# KiCad board Marble.kicad_pcb (continued)
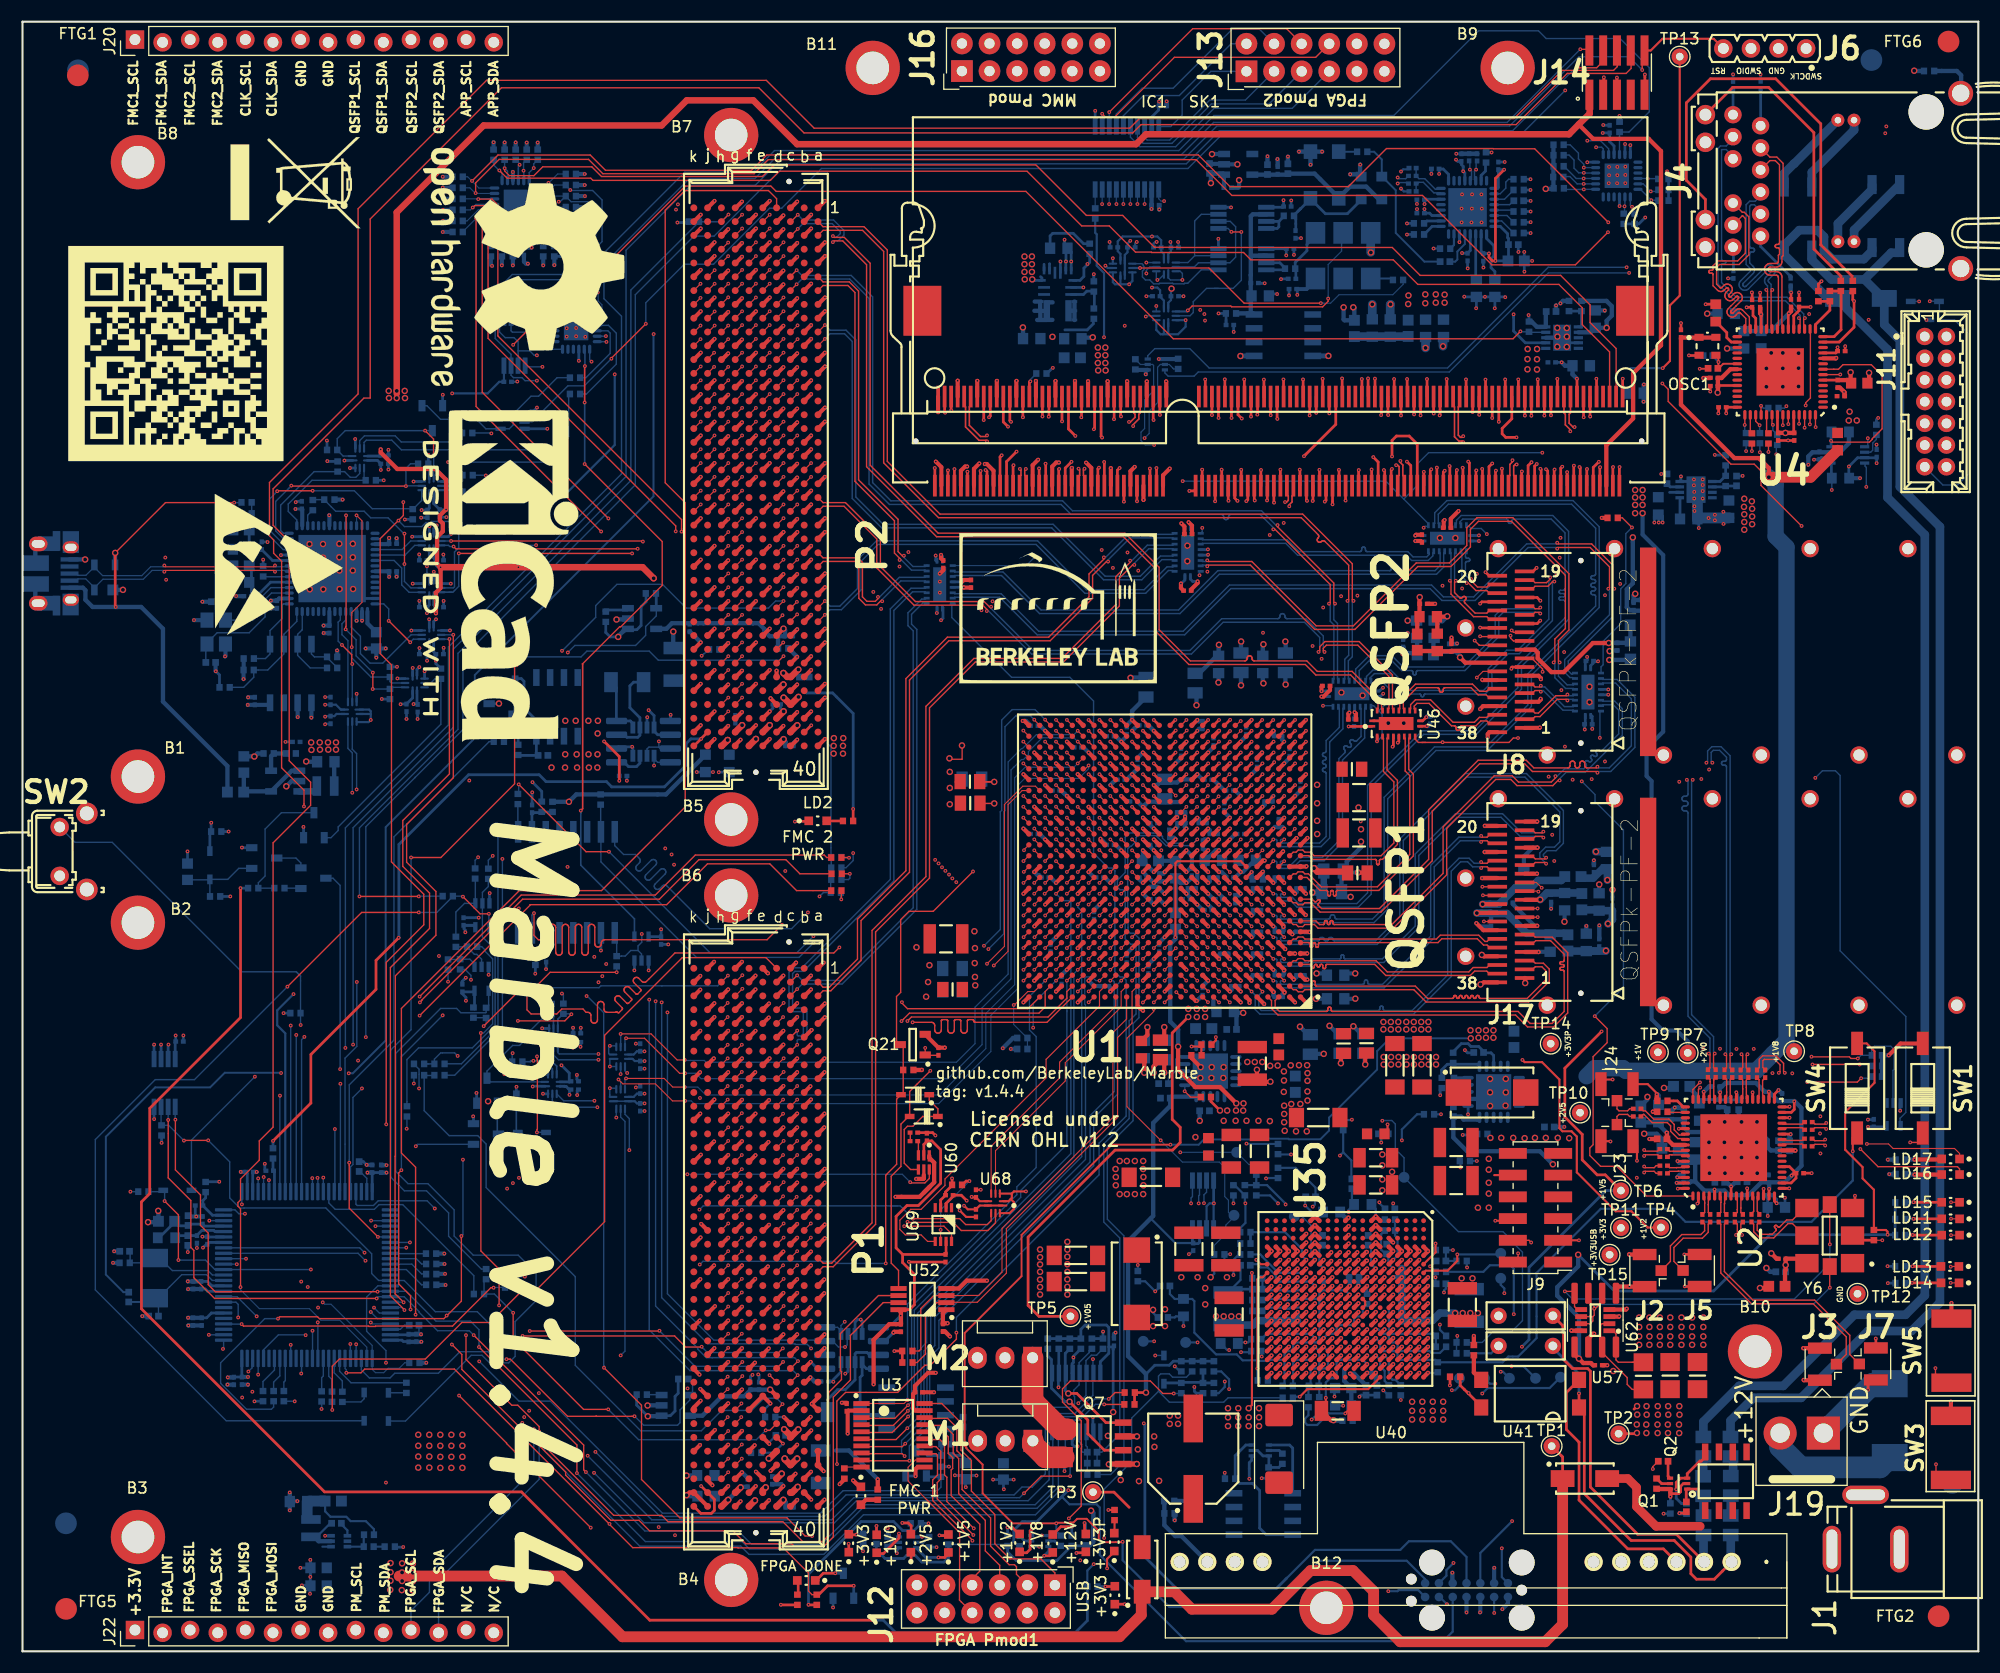
[diagram p0: board, top side]
## Routing (per net, layer and track width the routed paths; a pad name or vN(x,y) marks a point on that pad's centre or on a via; arc(x,y) is an arc through that point) (continued)
FMC1_DP1_M2C_N: length 64.2
  Top w0.13: P1.A3 73.68,60.8 74.39,60.8 77.17,63.58 77.17,67.25 81.63,71.71 81.63,89.4 85.26,93.02 94.58,93.02 98.49,96.92 98.49,99.03 99.76,100.3 v1(99.91,100.3)
  Bottom w0.13: 106.13,102.4 105.96,102.4 105.87,102.48 101.94,102.48 99.91,100.46 v1(99.91,100.3)
FMC1_DP1_M2C_P: length 64.2
  Top w0.13: v1(99.52,100.69) 99.52,100.54 98.16,99.17 98.16,97.06 94.44,93.35 85.12,93.35 81.31,89.53 81.31,71.85 76.84,67.39 76.84,63.72 74.25,61.13 73.68,61.13 P1.A2
  Bottom w0.13: 106.13,102.9 105.96,102.9 105.87,102.81 101.8,102.81 99.68,100.69 v1(99.52,100.69)
FMC1_LA_0_N: length 47.3
  Top w0.102: v1(100.12,66.72) 100.6,67.21 100.6,67.22
  Top w0.112: P1.G7 65.62,55.25 v1(66.2,55.83)
  In9.Cu w0.1: v1(100.12,66.72) 99.48,66.08 99.48,58.78 97.36,56.66 74.76,56.66 73.55,57.86 65.76,57.86 65.48,57.58 65.48,56.55 v1(66.2,55.83)
FMC1_LA_0_P: length 47.8
  Top w0.102: U1.H17 v1(101.12,66.73)
  Top w0.112: v1(66.2,57.13) 65.59,56.52 P1.G6
  In9.Cu w0.1: v1(66.2,57.13) 66.2,56.71 66.11,56.63 65.89,56.63 65.77,56.74 65.77,57.46 65.88,57.57 73.43,57.57 74.64,56.37 97.48,56.37 99.77,58.66 99.77,61.56 99.77,61.56 99.77,63.9 99.77,63.9 99.77,65.91 99.95,66.1 100.53,66.1 100.75,66.32 100.75,66.63 100.85,66.73 v1(101.12,66.73)
FMC1_LA_1_N: length 45.2
  Top w0.102: v1(100.12,64.73) 100.12,64.73 U1.F18
  Top w0.112: P1.D9 69.43,52.71 v1(70.05,53.33)
  In9.Cu w0.1: v1(100.12,64.73) 100.48,65.09 101.26,65.09 101.48,64.87 101.48,59.48 96.85,54.85 76.77,54.85 76.3,55.32 69.6,55.32 69.24,54.96 69.24,54.25 69.68,53.81 69.96,53.81 70.05,53.72 v1(70.05,53.33)
FMC1_LA_1_P: length 44.7
  Top w0.102: U1.G17 v1(101.12,65.73)
  Top w0.112: v1(70.05,54.58) 69.45,53.98 P1.D8
  In9.Cu w0.1: v1(101.12,65.73) 100.9,65.51 100.9,65.42 100.94,65.38 101.38,65.38 101.77,64.99 101.77,59.36 96.97,54.56 76.65,54.56 76.18,55.03 69.72,55.03 69.53,54.84 69.53,54.37 69.8,54.1 69.95,54.1 70.05,54.2 v1(70.05,54.58)
FMC1_LA_2_N: length 45.7
  Top w0.102: U1.J20 v1(98.12,67.73)
  Top w0.112: P1.H8 64.32,54 v1(64.9,54.58)
  In4.Cu w0.1: v1(98.12,67.73) 97.76,68.09 96.95,68.09 96.77,67.9 96.77,67.56 96.77,67.56 96.77,66.9 96.77,66.9 96.77,59.68 91.65,54.57 82.57,54.57 82.08,55.06 65.38,55.06 v1(64.9,54.58)
FMC1_LA_2_P: length 45.7
  Top w0.102: U1.K20 v1(98.12,68.73)
  Top w0.112: P1.H7 64.32,55.25 v1(64.9,55.83)
  In4.Cu w0.1: v1(98.12,68.73) 97.76,68.38 96.83,68.38 96.48,68.02 96.48,67.02 96.48,59.8 91.53,54.86 82.69,54.86 82.2,55.35 65.38,55.35 v1(64.9,55.83)
FMC1_LA_3_N: length 54
  Top w0.11: v1(101.13,70.74) 101.13,70.74 U1.L18
  Top w0.112: v1(66.2,52.03) 65.61,51.44 P1.G10
  In7.Cu w0.1: v1(66.2,52.03) 66.2,52.43 66.1,52.54 65.71,52.54 65.38,52.86 65.38,53.64 65.86,54.11 75.81,54.11 76.27,54.57 97.19,54.57 101.48,58.87 101.48,59.44 101.48,59.44 101.48,68.02 101.48,68.02 101.48,68.44 101.48,68.44 101.48,70.02 101.48,70.02 101.48,70.39 v1(101.13,70.74)
FMC1_LA_3_P: length 53.5
  Top w0.11: v1(102.11,70.71) 102.11,70.74 U1.M17
  Top w0.112: v1(66.2,53.33) 65.59,52.72 P1.G9
  In7.Cu w0.1: v1(66.2,53.33) 66.2,52.92 66.1,52.83 65.83,52.83 65.67,52.98 65.67,53.52 65.98,53.82 75.93,53.82 76.39,54.28 97.31,54.28 101.77,58.75 101.77,59.56 101.77,59.56 101.77,67.9 101.77,67.9 101.77,68.56 101.77,68.56 101.77,70.37 v1(102.11,70.71)
FMC1_LA_4_N: length 45.7
  Top w0.11: U1.G20 v1(98.12,65.73)
  Top w0.112: v1(64.9,50.78) 64.32,50.2 P1.H11
  In4.Cu w0.1: v1(64.9,50.78) 65.38,51.26 67.49,51.26 68.67,52.44 91.14,52.44 97.77,59.07 97.77,65.81 98.04,66.07 98.3,66.07 98.34,66.03 98.34,65.95 v1(98.12,65.73)
FMC1_LA_4_P: length 46.2
  Top w0.11: U1.H19 v1(99.12,66.73)
  Top w0.112: v1(64.9,52.03) 64.32,51.45 P1.H10
  In4.Cu w0.1: v1(99.12,66.73) 98.75,66.36 97.92,66.36 97.48,65.93 97.48,59.19 91.02,52.73 68.55,52.73 67.37,51.55 65.38,51.55 v1(64.9,52.03)
FMC1_LA_5_N: length 41.9
  Top w0.11: U1.E20 98.12,63.73 v1(98.12,63.73)
  Top w0.112: v1(70,49.48) 69.42,48.9 P1.D12
  In4.Cu w0.1: v1(70,49.48) 70,49.82 69.84,49.99 69.4,49.99 69.14,50.24 69.14,51.28 69.4,51.54 91.17,51.54 98.48,58.85 98.48,63.88 98.41,63.95 98.34,63.95 v1(98.12,63.73)
FMC1_LA_5_P: length 42
  Top w0.11: U1.F19 v1(99.12,64.73)
  Top w0.112: P1.D11 69.4,50.18 v1(70,50.78)
  In4.Cu w0.1: v1(70,50.78) 70,50.43 69.85,50.28 69.52,50.28 69.43,50.36 69.43,51.16 69.52,51.25 91.29,51.25 98.77,58.73 98.77,64.38 v1(99.12,64.73)
FMC1_LA_6_N: length 44.4
  Top w0.11: U1.L20 v1(98.12,69.73)
  Top w0.112: v1(71.3,50.78) 70.69,50.17 P1.C11
  In2.Cu w0.1: v1(98.12,69.73) 98.47,69.38 98.47,65.55 98.31,65.38 96.81,65.38 96.47,65.04 96.47,59.9 92.82,56.25 78.39,56.25 75.07,52.93 71.08,52.93 70.53,52.38 70.53,51.64 70.91,51.26 71.22,51.26 71.3,51.18 v1(71.3,50.78)
FMC1_LA_6_P: length 43.9
  Top w0.11: U1.L19 v1(99.12,69.73)
  Top w0.112: P1.C10 70.71,51.44 v1(71.3,52.03)
  In2.Cu w0.1: v1(71.3,52.03) 71.3,51.64 71.21,51.55 71.03,51.55 70.82,51.76 70.82,52.26 71.2,52.64 75.19,52.64 78.51,55.96 92.95,55.96 96.76,59.78 96.76,64.92 96.93,65.09 98.43,65.09 98.76,65.43 98.76,69.38 v1(99.12,69.73)
FMC1_LA_7_N: length 46.2
  Top w0.11: U1.D20 98.12,62.73 v1(98.12,62.73)
  Top w0.112: P1.H14 64.33,46.36 v1(64.95,46.98)
  In2.Cu w0.1: v1(98.12,62.73) 98.47,62.38 98.47,59.04 92.32,52.89 79.22,52.89 75.33,49 69.21,49 66.78,46.57 64.65,46.57 64.37,46.85 64.37,47.27 64.56,47.46 64.72,47.46 64.95,47.23 v1(64.95,46.98)
FMC1_LA_7_P: length 47.7
  Top w0.11: U1.D19 v1(99.12,62.73)
  Top w0.112: v1(64.95,48.23) 64.35,47.63 P1.H13
  In2.Cu w0.1: v1(99.12,62.73) 98.76,62.38 98.76,58.92 92.44,52.6 79.34,52.6 75.45,48.71 69.33,48.71 66.9,46.28 64.53,46.28 64.08,46.73 64.08,47.39 64.44,47.75 64.82,47.75 64.95,47.88 v1(64.95,48.23)
FMC1_LA_8_N: length 45.1
  Top w0.11: v1(98.12,64.73) 98.12,64.73 U1.F20
  Top w0.112: v1(66.2,48.23) 65.6,47.63 P1.G13
  In2.Cu w0.1: v1(98.12,64.73) 97.47,64.08 97.47,59.36 92.88,54.77 78.81,54.77 74.36,50.32 65.89,50.32 65.48,49.9 65.48,48.95 v1(66.2,48.23)
FMC1_LA_8_P: length 46.2
  Top w0.11: U1.G19 v1(99.12,65.73)
  Top w0.112: v1(66.2,49.53) 65.59,48.92 P1.G12 65.59,48.92
  In2.Cu w0.1: v1(99.12,65.73) 99.12,65.32 98.47,64.67 98.47,64.56 98.29,64.38 98.18,64.38 97.76,63.96 97.76,59.24 93,54.48 78.93,54.48 74.48,50.03 66.01,50.03 65.77,49.78 65.77,49.25 65.99,49.03 66.12,49.03 66.2,49.11 v1(66.2,49.53)
FMC1_LA_9_N: length 48.2
  Top w0.11: U1.J19 v1(99.12,67.73)
  Top w0.112: P1.D15 69.41,45.09 v1(70,45.68)
  In2.Cu w0.1: v1(70,45.68) 70,46 69.84,46.16 69.64,46.16 69.14,46.65 69.14,47.31 69.62,47.79 76.05,47.79 80.14,51.87 93.17,51.87 99.47,58.18 99.47,67.38 v1(99.12,67.73)
FMC1_LA_9_P: length 47.9
  Top w0.11: U1.J18 v1(100.12,67.73)
  Top w0.112: v1(70.05,46.98) 69.43,46.36 P1.D14
  In2.Cu w0.1: v1(100.12,67.73) 99.76,67.38 99.76,58.06 93.29,51.58 80.26,51.58 76.17,47.5 69.74,47.5 69.43,47.19 69.43,46.77 69.76,46.45 69.89,46.45 70.05,46.61 v1(70.05,46.98)
FMC1_LA_10_N: length 44.9
  Top w0.11: U1.G16 v1(102.12,65.73)
  Top w0.112: v1(71.3,45.68) 70.71,45.09 P1.C15
  In4.Cu w0.1: v1(102.12,65.73) 101.76,66.09 100.96,66.09 100.76,65.89 100.76,59.19 87.76,46.19 71.81,46.19 v1(71.3,45.68)
FMC1_LA_10_P: length 44.9
  Top w0.11: U1.H16 v1(102.12,66.73)
  Top w0.112: P1.C14 70.68,46.36 v1(71.3,46.98)
  In4.Cu w0.1: v1(102.12,66.73) 101.76,66.38 100.84,66.38 100.52,66.05 100.47,66 100.47,59.31 87.64,46.48 71.81,46.48 v1(71.3,46.98)
FMC1_LA_11_N: length 57.8
  Top w0.11: v1(100.11,69.73) 100.12,69.73 U1.K18
  Top w0.112: P1.H17 64.32,42.55 v1(64.95,43.18)
  In2.Cu w0.1: v1(64.95,43.18) 64.95,43.5 64.79,43.66 64.34,43.66 64.02,43.98 64.02,44.82 64.4,45.21 75.47,45.21 80.17,49.91 92.6,49.91 100.47,57.78 100.47,69.37 v1(100.11,69.73)
FMC1_LA_11_P: length 57.3
  Top w0.11: U1.L17 v1(101.12,69.73)
  Top w0.112: v1(64.95,44.43) 64.34,43.82 P1.H16
  In2.Cu w0.1: v1(101.12,69.73) 100.76,69.37 100.76,67.73 100.76,67.72 100.76,57.66 92.72,49.62 80.29,49.62 75.59,44.92 64.52,44.92 64.31,44.7 64.31,44.1 64.46,43.95 64.78,43.95 64.95,44.12 v1(64.95,44.43)
FMC1_LA_12_N: length 50.9
  Top w0.11: U1.F15 v1(103.12,64.73)
  Top w0.112: P1.G16 65.64,43.82 v1(66.2,44.38)
  In4.Cu w0.1: v1(66.2,44.38) 66.7,44.89 88.08,44.89 98.72,55.52 98.72,55.97 101.76,59.01 101.76,64.9 101.95,65.09 102.76,65.09 v1(103.12,64.73)
FMC1_LA_12_P: length 50.9
  Top w0.11: U1.G15 v1(103.12,65.73)
  Top w0.112: v1(66.2,45.68) 65.61,45.09 P1.G15
  In4.Cu w0.1: v1(66.2,45.68) 66.7,45.18 87.96,45.18 98.43,55.64 98.43,56.09 101.47,59.13 101.47,65.02 101.83,65.38 102.76,65.38 v1(103.12,65.73)
FMC1_LA_13_N: length 49.3
  Top w0.11: U1.D16 v1(102.12,62.73)
  Top w0.112: v1(70,41.88) 69.4,41.28 P1.D18
  In2.Cu w0.1: v1(70,41.88) 70,42.24 69.88,42.36 69.62,42.36 69.44,42.19 69.44,41.5 69.58,41.37 75.93,41.37 81.69,47.13 93.55,47.13 102.09,55.67 102.09,58.81 102.47,59.2 102.47,62.38 v1(102.12,62.73)
FMC1_LA_13_P: length 50.9
  Top w0.11: U1.D15 v1(103.12,62.73)
  Top w0.112: P1.D17 69.42,42.55 v1(70.05,43.18)
  In2.Cu w0.1: v1(103.12,62.73) 102.76,62.38 102.76,59.08 102.38,58.69 102.38,55.55 93.67,46.84 81.81,46.84 76.05,41.08 69.46,41.08 69.15,41.38 69.15,42.31 69.5,42.65 69.91,42.65 70.05,42.79 v1(70.05,43.18)
FMC1_LA_14_N: length 48.4
  Top w0.11: U1.E16 v1(102.12,63.73)
  Top w0.112: v1(71.3,40.63) 70.68,40.01 P1.C19
  In4.Cu w0.1: v1(102.12,63.73) 102.47,63.38 102.47,58.98 101.98,58.49 101.98,57.18 87.51,42.71 70.89,42.71 70.48,42.3 70.48,41.44 70.81,41.11 71.2,41.11 71.3,41.01 v1(71.3,40.63)
FMC1_LA_14_P: length 47.7
  Top w0.11: U1.E15 v1(103.12,63.73)
  Top w0.112: P1.C18 70.7,41.28 v1(71.25,41.83)
  In4.Cu w0.1: v1(71.25,41.83) 71.25,41.47 71.18,41.4 70.93,41.4 70.77,41.56 70.77,42.18 71.01,42.42 87.63,42.42 102.27,57.06 102.27,58.37 102.76,58.86 102.76,63.38 v1(103.12,63.73)
FMC1_LA_15_N: length 59.9
  Top w0.11: v1(102.12,67.73) 102.12,67.73 U1.J16
  Top w0.112: P1.H20 64.32,38.75 v1(64.95,39.38)
  In7.Cu w0.1: v1(64.95,39.38) 64.47,39.86 63.97,39.86 63.51,40.31 63.51,40.87 64.07,41.43 85.89,41.43 102.47,58.01 102.47,67.38 v1(102.12,67.73)
FMC1_LA_15_P: length 59.4
  Top w0.11: U1.J15 v1(103.12,67.73)
  Top w0.112: P1.H19 64.33,40.01 v1(64.95,40.63)
  In7.Cu w0.1: v1(103.12,67.73) 102.76,67.37 102.76,57.89 86.01,41.14 64.19,41.14 63.8,40.75 63.8,40.43 64.09,40.15 64.47,40.15 v1(64.95,40.63)
FMC1_LA_16_N: length 57.9
  Top w0.11: U1.K17 v1(101.12,68.73)
  Top w0.112: P1.G19 65.59,40.02 v1(66.2,40.63)
  In2.Cu w0.1: v1(101.12,68.73) 101.47,68.38 101.47,59.36 101.18,59.06 101.18,56.64 93.16,48.61 81.26,48.61 76.49,43.84 67.58,43.84 66.42,42.68 65.89,42.68 65.39,42.18 65.39,41.36 65.64,41.11 66.13,41.11 66.2,41.04 v1(66.2,40.63)
FMC1_LA_16_P: length 57.4
  Top w0.11: U1.K16 v1(102.12,68.73)
  Top w0.112: v1(66.2,41.88) 65.6,41.28 P1.G18
  In2.Cu w0.1: v1(66.2,41.88) 66.2,41.5 66.1,41.4 65.76,41.4 65.68,41.48 65.68,42.06 66.01,42.39 66.54,42.39 67.7,43.55 76.61,43.55 81.38,48.32 93.28,48.32 101.47,56.52 101.47,58.94 101.76,59.24 101.76,67.73 101.77,67.74 101.77,68.38 v1(102.12,68.73)
FMC1_LA_17_N: length 54.2
  Top w0.11: v1(109.1,62.74) 108.62,63.22 U1.D10
  Top w0.112: P1.D21 69.44,37.47 v1(70.05,38.08)
  In9.Cu w0.1: v1(70.05,38.08) 70.56,38.59 74.52,38.59 83.9,47.96 96.7,47.96 105.85,57.1 105.85,57.8 105.78,57.87 105.78,62.11 106.74,63.08 108.76,63.08 v1(109.1,62.74)
FMC1_LA_17_P: length 54.2
  Top w0.102: U1.E10 v1(109.12,63.73)
  Top w0.112: v1(70.05,39.38) 69.41,38.74 P1.D20
  In9.Cu w0.1: v1(109.12,63.73) 108.76,63.37 106.62,63.37 105.49,62.23 105.49,57.75 105.56,57.68 105.56,57.22 105.49,57.15 96.58,48.25 83.78,48.25 74.4,38.88 70.56,38.88 v1(70.05,39.38)
FMC1_LA_18_N: length 53.2
  Top w0.102: U1.C11 v1(108.12,61.73)
  Top w0.112: P1.C23 70.7,34.93 v1(71.3,35.53)
  In9.Cu w0.1: v1(108.12,61.73) 107.76,61.37 107.76,60.48 106.58,59.29 106.58,56.71 105.86,56 105.86,52.79 104.35,51.28 101.72,51.28 97.3,46.86 84.64,46.86 73.81,36.04 71.81,36.04 v1(71.3,35.53)
FMC1_LA_18_P: length 52.7
  Top w0.11: v1(107.1,61.74) 106.62,62.22 U1.C12
  Top w0.112: P1.C22 70.67,36.2 v1(71.3,36.83)
  In9.Cu w0.1: v1(107.1,61.74) 107.47,61.37 107.47,60.6 106.29,59.41 106.29,56.83 105.57,56.12 105.57,52.91 104.23,51.57 101.6,51.57 97.18,47.15 84.52,47.15 73.69,36.33 71.81,36.33 v1(71.3,36.83)
FMC1_LA_19_N: length 59.7
  Top w0.102: U1.G14 v1(104.12,65.73)
  Top w0.112: P1.H23 64.35,34.93 v1(64.95,35.53)
  In2.Cu w0.1: v1(64.95,35.53) 65.45,36.04 66.95,36.04 69.38,38.47 75.97,38.47 83.19,45.69 93.82,45.69 103.04,54.91 103.04,57.94 103.76,58.67 103.76,65.87 103.98,66.09 104.05,66.09 104.12,66.01 v1(104.12,65.73)
FMC1_LA_19_P: length 59.7
  Top w0.102: U1.H14 v1(104.12,66.73)
  Top w0.112: v1(64.95,36.83) 64.32,36.2 P1.H22
  In2.Cu w0.1: v1(104.12,66.73) 104.12,66.73 104.12,66.45 104.04,66.38 103.86,66.38 103.47,65.99 103.47,58.79 102.75,58.06 102.75,55.03 93.7,45.98 83.07,45.98 75.85,38.76 69.26,38.76 66.83,36.33 65.45,36.33 v1(64.95,36.83)
FMC1_LA_20_N: length 53
  Top w0.112: v1(66.2,36.83) 65.59,36.22 P1.G22
  Top w0.127: v1(103.12,59.72) 103.62,60.22 U1.A15
  In9.Cu w0.1: v1(66.2,36.83) 66.2,37.25 66.26,37.31 66.6,37.31 66.96,37.67 66.96,43.64 68.22,44.89 73.76,44.89 80.73,51.86 95.98,51.86 101.93,57.82 101.93,58.27 102.77,59.1 102.77,60.03 102.81,60.08 103.07,60.08 103.12,60.03 v1(103.12,59.72)
FMC1_LA_20_P: length 53
  Top w0.112: P1.G21 65.59,37.47 v1(66.2,38.08)
  Top w0.127: v1(103.12,60.73) 103.61,61.23 U1.B15
  In9.Cu w0.1: v1(103.12,60.73) 103.12,60.43 103.06,60.37 102.69,60.37 102.48,60.15 102.48,59.22 101.64,58.39 101.64,57.94 95.86,52.15 80.61,52.15 73.64,45.18 68.1,45.18 66.67,43.76 66.67,37.79 66.48,37.6 66.25,37.6 66.2,37.65 v1(66.2,38.08)
FMC1_LA_21_N: length 57.8
  Top w0.102: U1.D13 v1(105.12,62.73)
  Top w0.112: v1(64.95,31.73) 64.34,31.12 P1.H26
  In4.Cu w0.1: v1(105.12,62.73) 104.76,62.38 104.76,58.65 104.4,58.29 104.4,56.48 81.39,33.46 68.59,33.46 67.34,32.21 65.43,32.21 v1(64.95,31.73)
FMC1_LA_21_P: length 57.4
  Top w0.102: U1.D14 v1(104.12,62.73)
  Top w0.112: P1.H25 64.36,32.39 v1(64.95,32.98)
  In4.Cu w0.1: v1(64.95,32.98) 65.43,32.5 67.22,32.5 68.47,33.75 81.27,33.75 104.11,56.6 104.11,58.41 104.47,58.77 104.47,62.38 v1(104.12,62.73)
FMC1_LA_22_N: length 57.7
  Top w0.102: U1.A14 v1(104.12,59.73)
  Top w0.112: v1(66.2,33.03) 65.59,32.42 P1.G25
  In9.Cu w0.1: v1(104.12,59.73) 104.12,60.03 104.06,60.09 103.87,60.09 103.76,59.98 103.76,58.54 102.93,57.7 102.93,57.26 96.31,50.65 82.58,50.65 75.62,43.69 68.5,43.69 68.13,43.32 68.13,33.84 67.8,33.51 66.68,33.51 v1(66.2,33.03)
FMC1_LA_22_P: length 57.7
  Top w0.102: U1.B14 v1(104.12,60.73)
  Top w0.112: P1.G24 65.59,33.67 v1(66.2,34.28)
  In9.Cu w0.1: v1(104.12,60.73) 104.12,60.43 104.07,60.38 103.75,60.38 103.47,60.1 103.47,58.66 102.64,57.82 102.64,57.38 96.19,50.94 82.46,50.94 75.5,43.98 68.37,43.98 67.84,43.44 67.84,33.96 67.68,33.8 66.68,33.8 v1(66.2,34.28)
FMC1_LA_23_N: length 56.1
  Top w0.102: U1.F12 v1(107.12,64.73)
  Top w0.112: P1.D24 69.43,33.66 v1(70.05,34.28)
  In4.Cu w0.1: v1(70.05,34.28) 70.5,34.74 81.37,34.74 103.03,56.39 103.03,57.97 103.76,58.71 103.76,64.91 103.94,65.09 106.76,65.09 v1(107.12,64.73)
FMC1_LA_23_P: length 56.2
  Top w0.102: U1.G12 v1(107.12,65.73)
  Top w0.112: P1.D23 69.4,34.93 v1(70,35.53)
  In4.Cu w0.1: v1(107.12,65.73) 106.76,65.38 103.82,65.38 103.47,65.03 103.47,58.83 102.74,58.09 102.74,56.51 81.25,35.03 70.5,35.03 v1(70,35.53)
FMC1_LA_24_N: length 63.1
  Top w0.102: U1.A8 v1(111.12,59.73)
  Top w0.112: v1(64.95,27.93) 64.33,27.31 P1.H29
  In4.Cu w0.1: v1(111.12,59.73) 110.77,59.38 110.77,56.33 109.58,55.15 108.82,55.15 107.03,53.35 107.03,52.67 105.38,51.02 103.43,51.02 80.84,28.44 65.45,28.44 v1(64.95,27.93)
FMC1_LA_24_P: length 62.7
  Top w0.102: v1(110.12,59.73) 110.12,59.73 U1.A9
  Top w0.112: P1.H28 64.32,28.6 v1(64.95,29.23)
  In4.Cu w0.1: v1(64.95,29.23) 65.45,28.73 80.72,28.73 103.3,51.31 105.26,51.31 106.74,52.79 106.74,53.47 108.7,55.44 109.46,55.44 110.48,56.45 110.48,59.38 v1(110.12,59.73)
FMC1_LA_25_N: length 66.6
  Top w0.11: U1.G9 109.62,66.22 v1(110.12,65.72)
  Top w0.112: v1(66.2,29.23) 65.59,28.62 P1.G28
  In4.Cu w0.1: v1(110.12,65.72) 109.77,65.37 109.77,57.47 109.01,56.71 107.76,56.71 107.21,56.16 107.21,55.15 106.01,53.95 106.01,52.84 105,51.84 102.67,51.84 93.11,42.28 93.11,42.07 92.51,41.47 92.31,41.47 80.52,29.69 66.66,29.69 v1(66.2,29.23)
FMC1_LA_25_P: length 66.1
  Top w0.102: U1.G10 v1(109.12,65.73)
  Top w0.112: v1(66.2,30.43) 65.62,29.85 P1.G27
  In4.Cu w0.1: v1(66.2,30.43) 66.66,29.98 80.4,29.98 92.19,41.76 92.39,41.76 92.82,42.19 92.82,42.4 102.55,52.13 104.88,52.13 105.72,52.96 105.72,54.07 106.92,55.27 106.92,56.28 107.64,57 108.89,57 109.48,57.59 109.48,65.37 v1(109.12,65.73)
  In9.Cu w0.127: 109.12,65.73 v1(109.12,65.73)
FMC1_LA_26_N: length 56.5
  Top w0.11: U1.E12 v1(106.15,63.76)
  Top w0.112: P1.D27 69.42,29.85 v1(70.05,30.48)
  In4.Cu w0.1: v1(70.05,30.48) 70.56,30.99 80.26,30.99 106.13,56.85 106.13,57.99 105.79,58.33 105.79,64 105.9,64.1 106.06,64.1 106.15,64 v1(106.15,63.76)
FMC1_LA_26_P: length 56.6
  Top w0.11: U1.E13 105.65,64.23 v1(106.14,64.72)
  Top w0.112: P1.D26 69.4,31.13 v1(70.05,31.78)
  In4.Cu w0.1: v1(70.05,31.78) 70.56,31.28 80.14,31.28 105.84,56.97 105.84,57.87 105.5,58.21 105.5,64.15 105.75,64.39 106.04,64.39 106.14,64.49 v1(106.14,64.72)
FMC1_LA_27_N: length 54.3
  Top w0.102: U1.F13 v1(105.12,64.73)
  Top w0.112: P1.C27 70.67,29.85 v1(71.3,30.48)
  In7.Cu w0.1: v1(71.3,30.48) 71.78,30.96 79.44,30.96 104.38,55.9 104.38,57.76 104.76,58.15 104.76,64.38 v1(105.12,64.73)
FMC1_LA_27_P: length 53.9
  Top w0.102: U1.F14 v1(104.12,64.73)
  Top w0.112: v1(71.3,31.73) 70.69,31.12 P1.C26
  In7.Cu w0.1: v1(104.12,64.73) 104.47,64.38 104.47,58.27 104.09,57.88 104.09,56.02 79.32,31.25 71.78,31.25 v1(71.3,31.73)
  Bottom w0.127: v1(104.12,64.73) 104.12,64.71
FMC1_LA_28_N: length 71.3
  Top w0.102: U1.H13 v1(105.12,66.73)
  Top w0.112: P1.H32 64.32,23.55 v1(64.9,24.13)
  In2.Cu w0.1: 105.12,66.74 105.12,67.02 105.05,67.09 104.98,67.09 104.76,66.88 104.76,58.46 104.36,58.06 104.36,55.14 102.64,53.42 102.64,52.84 94.49,44.7 85.38,44.7 75.32,34.64 75.32,27.11 74,25.79 70.57,25.79 69.34,24.56 65.33,24.56 v1(64.9,24.13)
FMC1_LA_28_P: length 71.2
  Top w0.102: U1.J13 v1(105.12,67.73)
  Top w0.112: P1.H31 64.39,24.77 v1(64.9,25.28)
  In2.Cu w0.1: v1(64.9,25.28) 65.33,24.85 69.22,24.85 70.45,26.08 73.88,26.08 75.03,27.23 75.03,34.76 85.26,44.99 94.37,44.99 102.35,52.96 102.35,53.54 104.07,55.26 104.07,58.18 104.47,58.58 104.47,67 104.86,67.38 105.04,67.38 105.12,67.46 105.12,67.73
FMC1_LA_29_N: length 71.5
  Top w0.102: U1.F8 v1(111.12,64.73)
  Top w0.112: v1(66.25,25.33) 65.69,24.77 P1.G31
  In4.Cu w0.1: v1(66.25,25.33) 66.75,25.84 74.38,25.84 75.15,26.61 80.75,26.61 104.21,50.07 106.71,50.07 108.19,51.55 110.83,51.55 111.77,52.49 111.77,59.56 111.77,59.56 111.77,59.9 111.77,59.9 111.77,60.07 111.46,60.37 110.97,60.37 110.76,60.58 110.76,64.38 v1(111.12,64.73)
FMC1_LA_29_P: length 71
  Top w0.102: v1(110.12,64.73) 110.12,64.73 U1.F9
  Top w0.112: P1.G30 65.66,26.04 v1(66.25,26.63)
  In4.Cu w0.1: v1(66.25,26.63) 66.75,26.13 74.26,26.13 75.03,26.9 80.63,26.9 104.09,50.36 106.59,50.36 108.07,51.84 110.71,51.84 111.48,52.61 111.48,59.44 111.48,59.44 111.48,59.95 111.34,60.08 110.85,60.08 110.47,60.46 110.47,64.38 v1(110.12,64.73)
FMC1_LA_30_N: length 73.2
  Top w0.112: P1.H35 64.36,19.69 v1(64.95,20.28)
  Top w0.127: U1.B11 107.67,61.23 v1(108.13,60.77)
  In2.Cu w0.1: v1(108.13,60.77) 107.75,60.38 107.2,60.38 106.77,59.95 106.77,56.93 107.2,56.49 107.2,52.58 105.79,51.17 104.19,51.17 95.91,42.89 87.73,42.89 77.89,33.05 77.89,23.64 73.81,19.56 69.53,19.56 69.18,19.91 69.18,20.33 68.76,20.75 65.42,20.75 v1(64.95,20.28)
FMC1_LA_30_P: length 72.1
  Top w0.112: P1.H34 64.9,21.54 v1(64.9,21.56)
  Top w0.127: v1(107.08,60.76) 107.08,60.77 U1.B12
  In2.Cu w0.1: v1(64.9,21.56) 65.42,21.04 68.88,21.04 69.47,20.45 69.47,20.03 69.65,19.85 73.69,19.85 77.6,23.76 77.6,33.17 87.61,43.18 95.79,43.18 104.07,51.46 105.67,51.46 106.91,52.7 106.91,56.37 106.48,56.81 106.48,60.15 v1(107.08,60.76)
FMC1_LA_31_N: length 67.7
  Top w0.112: P1.G34 66.15,21.52 v1(66.15,21.56)
  Top w0.127: v1(106.19,60.67) 106.62,60.24 U1.A12
  In2.Cu w0.1: v1(66.15,21.56) 66.64,22.05 73.82,22.05 76.36,24.59 76.36,33.22 86.8,43.66 95.22,43.66 103.58,52.03 105.32,52.03 105.9,52.6 105.9,54.18 105.51,54.57 105.51,55.75 106,56.24 106,60.12 105.86,60.27 105.86,60.34 v1(106.19,60.67)
FMC1_LA_31_P: length 67.2
  Top w0.112: 65.61,22.22 66.17,22.78
  Top w0.127: U1.A13 105.62,60.23 v1(105.12,59.73)
  In2.Cu w0.1: v1(66.17,22.81) 66.64,22.34 73.7,22.34 76.07,24.71 76.07,33.34 86.68,43.95 95.1,43.95 103.46,52.32 105.2,52.32 105.61,52.73 105.61,54.06 105.22,54.45 105.22,55.87 105.71,56.36 105.71,60 105.61,60.11 105.49,60.11 v1(105.12,59.73)
FMC1_LA_32_N: length 75.8
  Top w0.102: U1.C13 v1(105.12,61.73)
  Top w0.112: v1(64.95,16.48) 64.35,15.88 P1.H38
  In9.Cu w0.1: v1(105.12,61.73) 104.76,61.38 104.76,58.47 104.43,58.14 104.43,57.23 96.68,49.48 83.22,49.48 73.65,39.9 69.88,39.9 69.57,39.6 69.57,17.33 69.2,16.96 65.43,16.96 65.12,16.66 65.12,16.66 v1(64.95,16.48)
FMC1_LA_32_P: length 75.3
  Top w0.102: U1.C14 v1(104.12,61.73)
  Top w0.112: P1.H37 64.37,17.15 v1(64.95,17.73)
  In9.Cu w0.1: v1(104.12,61.73) 104.47,61.38 104.47,58.59 104.14,58.26 104.14,57.35 96.56,49.77 83.1,49.77 73.53,40.19 69.76,40.19 69.28,39.72 69.28,17.45 69.08,17.25 65.43,17.25 65.13,17.56 65.12,17.56 v1(64.95,17.73)
FMC1_LA_33_N: length 82.9
  Top w0.112: v1(66.2,17.73) 65.62,17.15 P1.G37
  Top w0.127: U1.A10 108.62,60.23 v1(109.1,59.75)
  In9.Cu w0.1: v1(109.1,59.75) 109.1,60.03 109.19,60.12 109.36,60.12 109.46,60.02 109.46,57.79 108.16,56.49 108.16,55.24 106.94,54.02 106.94,52.65 104.53,50.25 102.83,50.25 98.21,45.63 84.91,45.63 74.18,34.91 72.84,34.91 71.68,33.76 71.68,26.92 71.72,26.88 71.72,25.27 71.68,25.23 71.68,20.83 71.87,20.64 71.87,16.56 71.31,16 71.1,16 70.96,15.86 64.72,15.86 64.4,16.17 64.4,18.02 64.62,18.24 65.69,18.24 v1(66.2,17.73)
FMC1_LA_33_P: length 84.6
  Top w0.112: P1.G36 65.59,18.42 v1(66.2,19.03)
  Top w0.127: v1(109.13,60.75) 108.65,61.23 U1.B10
  In9.Cu w0.1: v1(66.2,19.03) 65.69,18.53 64.5,18.53 64.11,18.14 64.11,16.05 64.6,15.57 71.08,15.57 71.22,15.71 71.43,15.71 72.16,16.44 72.16,20.76 71.97,20.95 71.97,25.11 72.01,25.15 72.01,27 71.97,27.04 71.97,33.64 72.96,34.62 74.3,34.62 85.03,45.34 98.33,45.34 102.95,49.96 104.65,49.96 107.23,52.53 107.23,53.9 108.45,55.12 108.45,56.37 109.75,57.67 109.75,60.13 v1(109.13,60.75)
FMC2_DP0_C2M_N: length 90.4
  Top w0.127: P2.C3 70.75,130.33 v1(71.35,130.93)
  Top w0.13: 125.17,86.5 125.17,86.67 125.09,86.76 125.09,87.48 122.37,90.2 119.17,90.2 118.2,91.16 113.38,91.16 113.33,91.17 113.28,91.19 113.24,91.21 113.21,91.25 113.18,91.29 113.16,91.34 113.16,91.39 113.16,91.41 113.15,91.46 113.13,91.51 113.11,91.55 113.07,91.59 113.03,91.62 112.98,91.63 112.93,91.64 112.88,91.63 112.83,91.62 112.79,91.59 112.76,91.55 112.73,91.51 112.71,91.46 112.71,91.41 112.71,91.39 112.7,91.34 112.68,91.29 112.66,91.25 112.62,91.21 112.58,91.19 112.53,91.17 112.48,91.16 107.48,91.16 104.61,94.04 104.61,99.78 101.46,102.92 84.27,102.92 78.01,109.18 78.01,127.77 75.63,130.15 74.69,130.15 v1(74.58,130.26)
  Bottom w0.13: v1(74.58,130.26) 74.69,130.15 74.92,130.15 75.27,130.5 75.27,130.66 74.51,131.42 71.84,131.42 v1(71.35,130.93)
FMC2_DP0_C2M_P: length 90.4
  Top w0.127: v1(71.35,132.23) 70.72,131.6 P2.C2
  Top w0.13: v1(74.58,129.71) 74.69,129.82 75.49,129.82 77.68,127.63 77.68,109.04 84.13,102.59 101.33,102.59 104.28,99.64 104.28,93.9 107.35,90.83 118.06,90.83 119.03,89.87 122.23,89.87 124.75,87.34 124.75,86.76 124.67,86.67 124.67,86.5
  Bottom w0.13: v1(74.58,129.71) 74.69,129.82 75.06,129.82 75.6,130.36 75.6,130.79 74.65,131.75 71.84,131.75 v1(71.35,132.23)
FMC2_DP0_M2C_N: length 81.7
  Top w0.127: P2.C7 70.67,125.25 v1(71.25,125.83)
  Top w0.13: v1(115.12,103.28) 115.27,103.28 120.36,98.19 120.36,96.54 v1(120.25,96.43)
  Bottom w0.13: 120.61,89.24 120.61,89.41 120.69,89.5 120.69,94.48 120.36,94.82 120.36,96.32 v1(120.25,96.43) ; v1(115.12,103.28) 115.12,103.43 113.9,104.65 111.22,104.65 111.17,104.65 111.12,104.63 111.08,104.6 111.05,104.57 111.02,104.52 111,104.48 111,104.43 111,104.39 110.99,104.34 110.97,104.3 110.95,104.25 110.91,104.22 110.87,104.19 110.82,104.17 110.77,104.17 110.72,104.17 110.67,104.19 110.63,104.22 110.6,104.25 110.57,104.3 110.55,104.34 110.55,104.39 110.55,104.43 110.54,104.48 110.52,104.52 110.5,104.57 110.46,104.6 110.42,104.63 110.37,104.65 110.32,104.65 96.5,104.65 95.59,105.57 79.79,105.57 77.91,107.44 77.91,124.53 76.13,126.32 71.73,126.32 v1(71.25,125.83)
FMC2_DP0_M2C_P: length 81.7
  Top w0.127: P2.C6 70.67,126.55 v1(71.25,127.13)
  Top w0.13: v1(120.8,96.43) 120.69,96.54 120.69,98.33 115.51,103.51 v1(115.51,103.66)
  Bottom w0.13: v1(71.25,127.13) 71.73,126.65 76.27,126.65 78.24,124.67 78.24,107.58 79.92,105.9 95.72,105.9 96.64,104.98 114.04,104.98 115.35,103.66 v1(115.51,103.66) ; 121.11,89.24 121.11,89.41 121.03,89.5 121.03,94.61 120.69,94.95 120.69,96.32 v1(120.8,96.43)
FMC2_DP1_C2M_N: length 68.9